# KiCad board nixie_clock_cpu.kicad_pcb
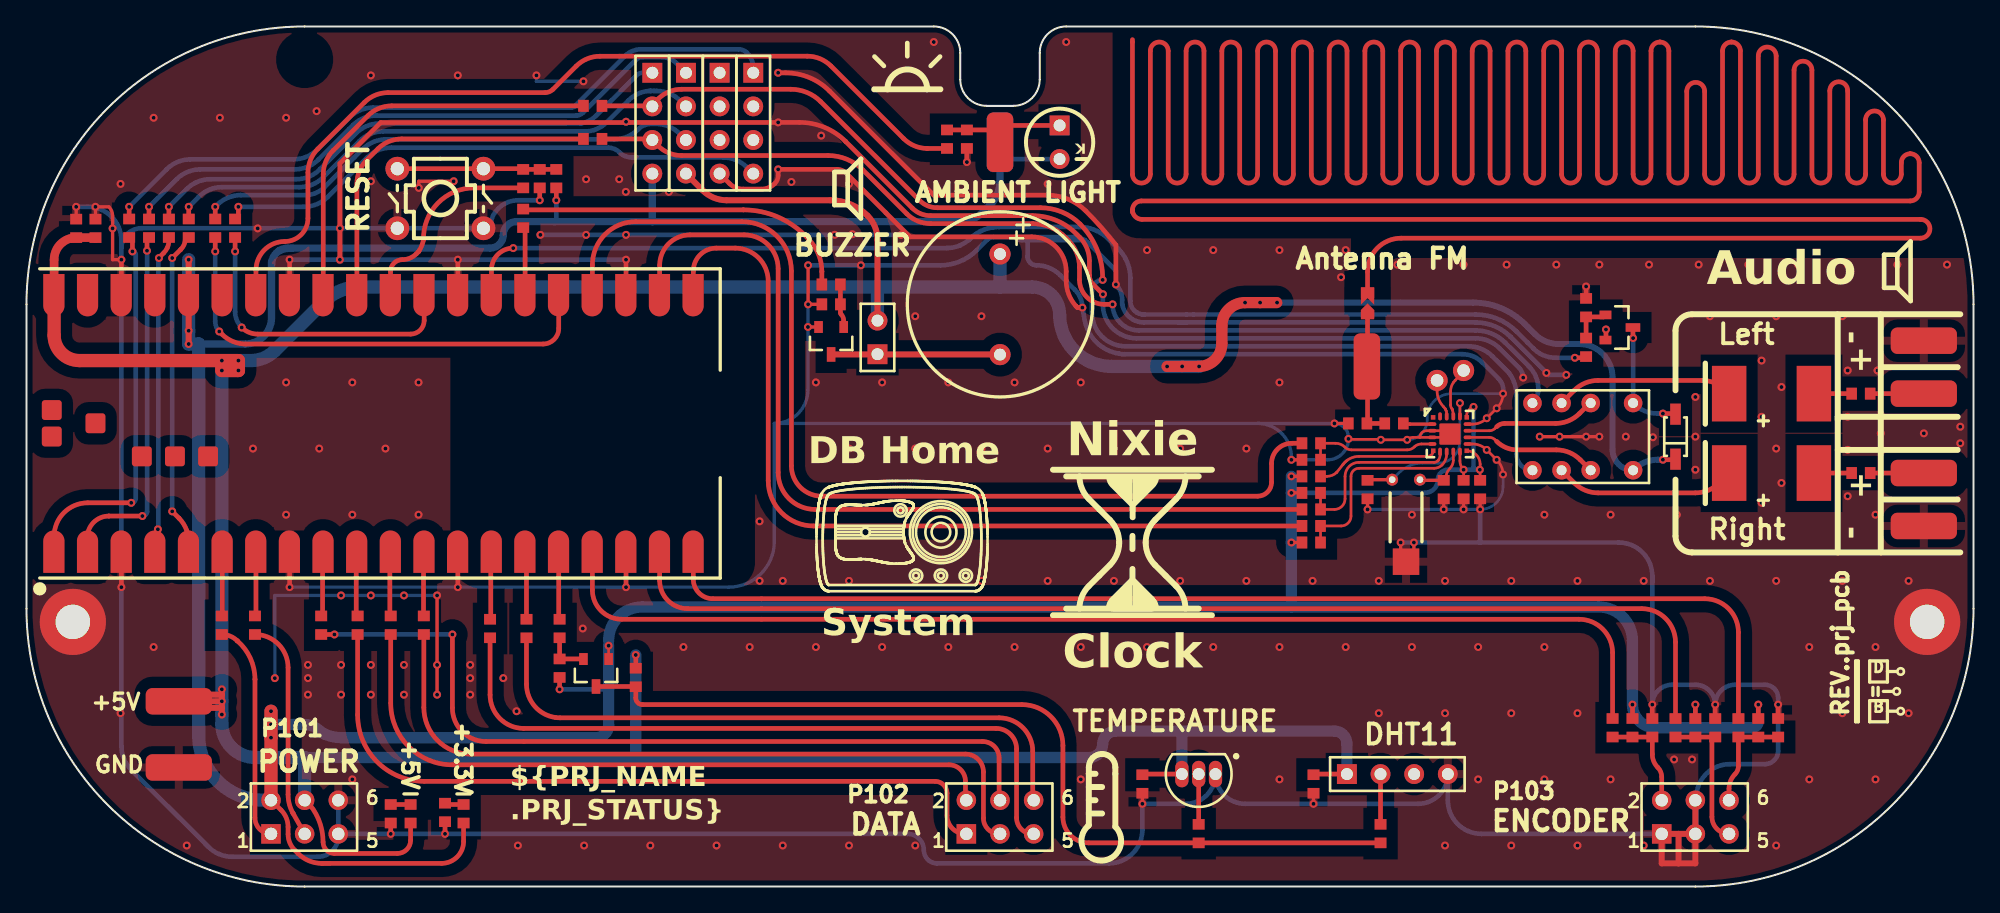
[diagram p0: board, top side]
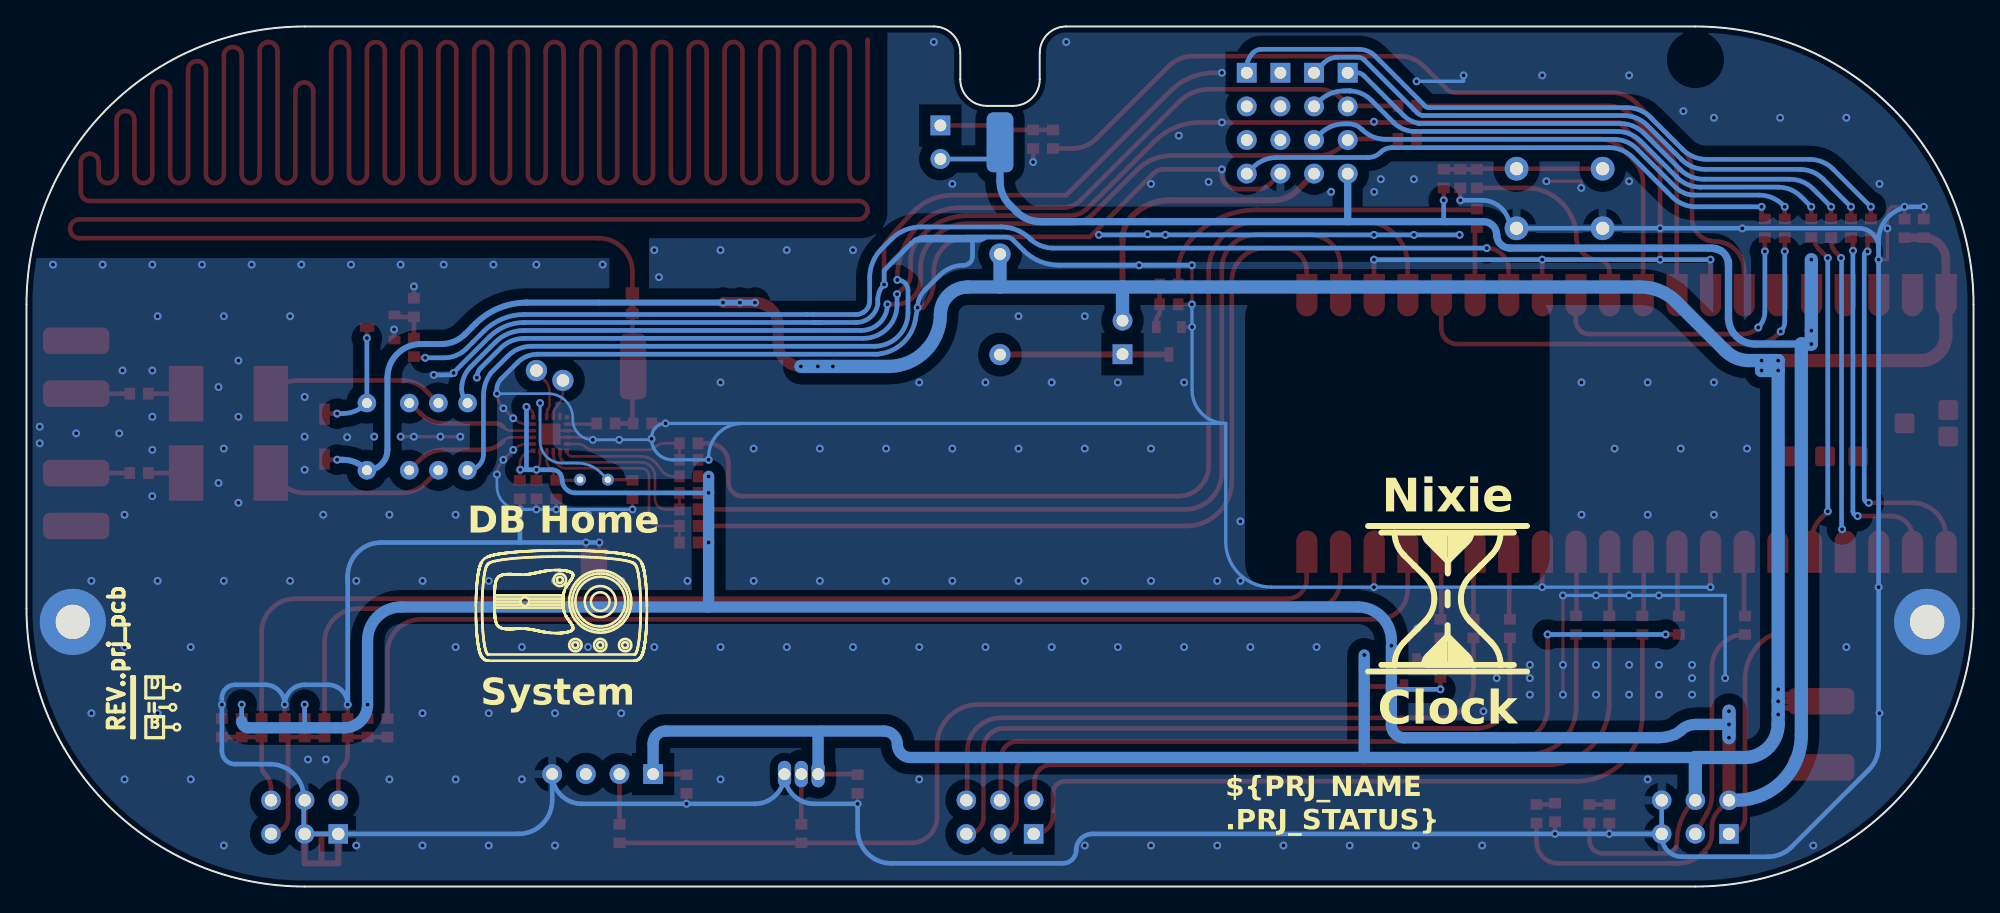
[diagram p1: board, bottom side, seen from below]

Outline 147 x 65 mm; copper layers: Top Layer, Bottom Layer. Coordinates in mm from the lower left corner of the outline.
Outline path: 0,44 0,21 ; 0,44 arc(6.15,58.85) 21,65 ; 0,44 arc(6.15,58.85) 21,65 ; 0,44 0,21 ; 0,21 arc(6.15,6.15) 21,0 ; 0,21 arc(6.15,6.15) 21,0 ; 21,65 68.5,65 ; 21,65 68.5,65 ; 68.5,65 arc(69.91,64.41) 70.5,63 ; 68.5,65 arc(69.91,64.41) 70.5,63 ; 21,0 126,0 ; 21,0 126,0 ; 126,0 arc(140.85,6.15) 147,21 ; 126,0 arc(140.85,6.15) 147,21 ; 70.5,63 70.5,61 ; 70.5,63 70.5,61 ; 70.5,61 arc(71.09,59.59) 72.5,59 ; 70.5,61 arc(71.09,59.59) 72.5,59 ; 72.5,59 74.5,59 ; 72.5,59 74.5,59 ; 74.5,59 arc(75.91,59.59) 76.5,61 ; 74.5,59 arc(75.91,59.59) 76.5,61 ; 76.5,63 arc(77.09,64.41) 78.5,65 ; 76.5,63 arc(77.09,64.41) 78.5,65 ; 76.5,63 76.5,61 ; 76.5,63 76.5,61 ; 78.5,65 126,65 ; 78.5,65 126,65 ; 126,65 arc(140.85,58.85) 147,44 ; 126,65 arc(140.85,58.85) 147,44 ; 147,44 147,21 ; 147,44 147,21

## Placement (name value [footprint] x y rotation side)
BUZ1  BUZZER  [buzzer_14mm_thd]  73.5 44 270 top
C100  10uF  [0603_[1608]]  3.75 49.74 90 top
C101  100nF  [0603_[1608]]  5.21 49.74 90 top
C102  100nF  [0603_[1608]]  109.75 30 90 top
C103  22nF  [0603_[1608]]  108.5 30 90 top
C104  1nF  [0603_[1608]]  103.25 35 180 top
C105  100nF  [0603_[1608]]  122.75 12 270 top
C106  100nF  [0603_[1608]]  132.25 12 270 top
C107  100nF  [0603_[1608]]  127.5 12 270 top
C108  47uF  [[7343]_CAP_TAN_1P_2N]  131.75 37.25 0 top
C109  47uF  [[7343]_CAP_TAN_1P_2N]  131.75 31.25 0 top
C110  22pF  [0603_[1608]]  107 30 90 top
C111  22pF  [0603_[1608]]  101.25 30 90 top
C112  100nF  [0603_[1608]]  84.25 7.75 270 top
C113  100nF  [0603_[1608]]  97.17 7.75 270 top
C114  100nF  [0603_[1608]]  38.75 53.5 90 top
D100  AMBIENT LIGHT  [R5_LED_THD_A2-K1]  78 56.25 270 top
D101  1N4448W  [SOD-123_K1-A2]  124.5 34 270 top
D102  +5V  [0603_[1608]_K1-A2_LED]  29 5.5 90 top
D103  +3.3V  [0603_[1608]_K1-A2_LED]  33 5.5 90 top
J100  Antenna FM  [SMD_PIN_2x5MM]  101.2 39.31 180 top
J101  -  [SMD_PIN_2x5MM]  143.25 41.25 270 top
J102  +  [SMD_PIN_2x5MM]  143.25 37.25 270 top
J103  +  [SMD_PIN_2x5MM]  143.25 31.25 270 top
J104  -  [SMD_PIN_2x5MM]  143.25 27.25 270 top
J105  +5V  [SMD_PIN_2x5MM]  11.5 14 90 top
J106  GND  [SMD_PIN_2x5MM]  11.5 9 90 top
JP100  PCB FM Antenna  [0603_[1608]_JUMPER]  101.25 44.07 90 top
L100  270nH  [0603_[1608]]  100.5 35 180 top
L101  Ferrite 2,5kohm  [0603_[1608]]  138.5 37.25 0 top
L102  Ferrite 2,5kohm  [0603_[1608]]  138.5 31.25 0 top
NOREF  -  [unnamed]  126 62.5 0 top
NOREF#2  -  [unnamed#2]  73.5 56.23 0 top
NOREF#3  -  [unnamed]  21 62.5 0 top
NOREF#4  -  [unnamed#3]  3.5 20 0 top
NOREF#5  -  [unnamed#2]  73.5 56.25 0 top
NOREF#6  -  [unnamed#3]  143.5 20 0 top
NOREF#7  -  [unnamed#2]  73.5 56.25 0 top
P2  BUZZER  [HEADER_1X2_2.54MM_THD]  64.25 41.5 90 top
P100  SENSOR  [HEADER_1X4_2.54MM_THD]  103.5 8.5 0 top
P101  POWER  [SOCKET_2x3_2.54mm_THD]  21 5.25 0 top
P102  DATA  [SOCKET_2x3_2.54mm_THD]  73.5 5.25 0 top
P103  ENCODER  [SOCKET_2x3_2.54mm_THD]  126 5.25 0 top
P105  Audio  [HEADER_1X4_2.54MM_THD]  52.33 57.69 270 top
P106  Audio  [HEADER_1X4_2.54MM_THD]  47.25 57.69 270 top
P107  Audio  [HEADER_1X4_2.54MM_THD]  49.79 57.69 270 top
P108  Audio  [HEADER_1X4_2.54MM_THD]  54.87 57.69 270 top
Q1  BSS138  [SOT-23]  43 16.15 270 top
Q100  BC817  [SOT-23#2]  60.75 41.25 270 top
Q101  BC817  [SOT-23]  120.25 42.25 0 top
R100  33R  [0603_[1608]]  14.75 19.75 270 top
R101  33R  [0603_[1608]]  17.25 19.75 270 top
R102  33R  [0603_[1608]]  37.5 50.5 270 top
R103  33R  [0603_[1608]]  37.5 53.5 270 top
R104  33R  [0603_[1608]]  25 19.75 270 top
R105  33R  [0603_[1608]]  40.25 19.5 270 top
R106  33R  [0603_[1608]]  27.5 19.75 270 top
R107  1k  [0603_[1608]]  69.5 56.48 270 top
R108  33R  [0603_[1608]]  30 19.75 270 top
R109  33R  [0603_[1608]]  124.5 12 270 top
R110  33R  [0603_[1608]]  129.25 12 270 top
R111  33R  [0603_[1608]]  35 19.5 270 top
R112  33R  [0603_[1608]]  119.75 12 270 top
R113  33R  [0603_[1608]]  37.75 19.5 270 top
R114  33R  [0603_[1608]]  22.25 19.75 270 top
R115  10k  [0603_[1608]]  121.25 12 270 top
R116  10k  [0603_[1608]]  130.75 12 270 top
R117  10k  [0603_[1608]]  126 12 270 top
R118  4k7  [0603_[1608]]  97 26 0 top
R119  4k7  [0603_[1608]]  97 29.75 0 top
R120  10k  [0603_[1608]]  97 31 0 top
R121  10k  [0603_[1608]]  97 32.25 0 top
R122  330R  [0603_[1608]]  97 33.5 180 top
R123  330R  [0603_[1608]]  97 28.5 180 top
R124  330R  [0603_[1608]]  97 27.25 180 top
R125  33R  [0603_[1608]]  88.5 4 270 top
R126  33R  [0603_[1608]]  102.23 4 270 top
R127  10k  [0603_[1608]]  40 53.5 90 top
R128  10k  [0603_[1608]]  40.25 16.5 90 top
R129  4k7  [0603_[1608]]  46 15.8 270 top
R130  1k  [0603_[1608]]  60.75 45.5 0 top
R131  47k  [0603_[1608]]  60.75 44 0 top
R132  33R  [0603_[1608]]  42.75 59 180 top
R133  33R  [0603_[1608]]  42.75 56.5 180 top
R134  10k  [0603_[1608]]  71 56.48 270 top
R135  1k  [0603_[1608]]  117.75 40.75 90 top
R136  47k  [0603_[1608]]  117.75 43.75 270 top
R137  1k  [0603_[1608]]  27.5 5.5 90 top
R138  1k  [0603_[1608]]  31.6 5.6 90 top
R139  33R  [0603_[1608]]  7.75 49.75 90 top
R140  33R  [0603_[1608]]  9.25 49.75 90 top
R141  33R  [0603_[1608]]  10.75 49.75 90 top
R142  33R  [0603_[1608]]  12.25 49.75 90 top
R143  33R  [0603_[1608]]  15.75 49.75 270 top
R144  33R  [0603_[1608]]  14.25 49.75 270 top
S3  RESET  [TACTILE_SWITCH_6x6MM_THD]  31.25 52 270 top
TP100  GPIO2  [TEST_POINT_THD_D1.6MM]  108.5 39 90 top
TP101  GPIO1  [TEST_POINT_THD_D1.6MM]  106.5 38.25 90 top
U100  Raspberry Pico Wifi  [RasberryPicoMod]  26.5 35 90 top
U101  Si470x  [QFN-50P-20_PAD]  107.48 34.2 0 top
U102  DS18B20  [TO-92]  88.5 8.5 90 top
U103  Relay DPDT  [RELAYS_DPST_THD_6x10_5.08mm]  117.5 34 180 top
Y100  32.768kHz  [CRISTAL_R26_PAD]  104.16 30.75 270 top

## Footprints (pads in the part's own frame, mm; a bottom-side part is the same pattern mirrored in y, then rotated)
0603_[1608]
  rect 0.8x0.9 smd: 1(-0.7,0) 2(0.7,0)
0603_[1608]_JUMPER
  custom 1.2x1 smd: (-1.2,0.5)
  custom 1.3x1 smd: (1.2,-0.5)
  rect 0.6x1 smd: 1(-0.8,0)
  rect 0.8x1 smd: 2(0.8,0)
0603_[1608]_K1-A2_LED
  rect 0.8x0.9 smd: 1(0.7,0) 2(-0.7,0)
[7343]_CAP_TAN_1P_2N
  rect 2.6x4.2 smd: 1(-3.2,0) 2(3.2,0)
buzzer_14mm_thd
  round 1.6 hole 0.9: 1(-3.8,0) 2(3.8,0)
CRISTAL_R26_PAD
  round 0.9 hole 0.5: 1(0,1.05) 2(0,-1.05)
  rect 2x2 smd: 3(6.2,0)
HEADER_1X2_2.54MM_THD
  rect 1.5x1.5 hole 0.9: 1(-1.27,0)
  round 1.5 hole 0.9: 2(1.27,0)
HEADER_1X4_2.54MM_THD
  rect 1.5x1.5 hole 0.9: 1(-3.81,0)
  round 1.5 hole 0.9: 2(-1.27,0) 3(1.27,0) 4(3.81,0)
QFN-50P-20_PAD
  rect 0.34x0.34 smd: 1(-1.275,1.265) 6(-1.265,-1.265) 11(1.265,-1.265) 16(1.265,1.265)
  rrect 0.61x0.28 smd: 2(-1.335,0.75) 3(-1.335,0.25) 4(-1.335,-0.25) 5(-1.335,-0.75) 12(1.335,-0.75) 13(1.335,-0.25) 14(1.335,0.25) 15(1.335,0.75)
  rrect 0.28x0.61 smd: 7(-0.75,-1.335) 8(-0.25,-1.335) 9(0.25,-1.335) 10(0.75,-1.335) 17(0.75,1.335) 18(0.25,1.335) 19(-0.25,1.335) 20(-0.75,1.335)
  rrect 1.6x1.6 smd: 21(0,0)
R5_LED_THD_A2-K1
  round 1.5 hole 0.9: 1(1.27,0)
  rect 1.5x1.5 hole 0.9: 2(-1.27,0)
RasberryPicoMod
  custom 3.2x1.6 smd: (-11.292,23.631) (-11.292,21.091) (-11.292,18.551) (-11.292,16.011) (-11.292,13.471) (-11.292,10.931) (-11.292,8.391) (-11.292,5.851) (-11.292,3.311) (-11.292,0.771) (-11.292,-1.769) (-11.292,-4.309) (-11.292,-6.849) (-11.292,-9.389) (-11.292,-11.929) (-11.292,-14.469) (-11.292,-17.009) (-11.292,-19.549) (-11.292,-22.089) (-11.292,-24.629) (11.292,23.631) (11.292,21.091) (11.292,18.551) (11.292,16.011) (11.292,13.471) (11.292,10.931) (11.292,8.391) (11.292,5.851) (11.292,3.311) (11.292,0.771) (11.292,-1.769) (11.292,-4.309) (11.292,-6.849) (11.292,-9.389) (11.292,-11.929) (11.292,-14.469) (11.292,-17.009) (11.292,-19.549) (11.292,-22.089) (11.292,-24.629)
  rect 2.5x1 smd: 1(-9.69,24.415) 2(-9.69,21.875) 4(-9.69,16.795) 5(-9.69,14.255) 6(-9.69,11.715) 7(-9.69,9.175) 8(-9.69,6.635) 9(-9.69,4.095) 10(-9.69,1.555) 11(-9.69,-0.985) 12(-9.69,-3.525) 13(-9.69,-6.065) 14(-9.69,-8.605) 15(-9.69,-11.145) 16(-9.69,-13.685) 17(-9.69,-16.225) 18(-9.69,-18.765) 19(-9.69,-21.305) 20(-9.69,-23.845) 21(9.69,-23.845) 22(9.69,-21.305) 23(9.69,-18.765) 24(9.69,-16.225) 25(9.69,-13.685) 26(9.69,-11.145) 27(9.69,-8.605) 28(9.69,-6.065) 29(9.69,-3.525) 30(9.69,-0.985) 31(9.69,1.555) 32(9.69,4.095) 33(9.69,6.635) 34(9.69,9.175) 35(9.69,11.715) 36(9.69,14.255) 37(9.69,16.795) 38(9.69,19.335) 39(9.69,21.875) 40(9.69,24.415)
  rrect 2.5x1 smd: 3(-9.69,19.335)
  rrect 1.5x1.5 smd: 44(0.01,21.292) 45(1.01,24.592) 46(-0.99,24.592) 47(-2.49,17.792) 48(-2.49,15.292) 49(-2.49,12.792)
RELAYS_DPST_THD_6x10_5.08mm
  round 1.4 hole 0.75: 1(-3.8,-2.54) 2(-0.6,-2.54) 3(1.6,-2.54) 4(3.8,-2.54) 5(3.8,2.54) 6(1.6,2.54) 7(-0.6,2.54) 8(-3.8,2.54)
SMD_PIN_2x5MM
  rrect 2x5 smd: 1(0,0)
SOCKET_2x3_2.54mm_THD
  rect 1.473x1.473 hole 0.94: 1(-2.54,-1.27)
  round 1.473 hole 0.94: 2(-2.54,1.27) 3(0,-1.27) 4(0,1.27) 5(2.54,-1.27) 6(2.54,1.27)
SOD-123_K1-A2
  rect 1.6x0.8 smd: 1(1.7,0) 2(-1.7,0)
SOT-23
  rect 0.9x0.65 smd: 1(-1.038,0.95) 2(-1.038,-0.95)
  rect 1.1x0.65 smd: 3(1.038,0)
SOT-23#2
  rect 0.9x0.65 smd: 1(-1.038,0.95) 2(-1.038,-0.95)
  rect 1.1x0.65 smd: 3(1.038,0)
TACTILE_SWITCH_6x6MM_THD
  round 1.8 hole 1: 1(2.25,3.25) 2(2.25,-3.25) 3(-2.25,3.25) 4(-2.25,-3.25)
TEST_POINT_THD_D1.6MM
  round 1.6 hole 0.95: 1(0,0)
TO-92
  oval 2x1 hole 0.9: 1(0,-1.27) 2(0,0) 3(0,1.27)
unnamed
  round 0.001 hole 2.6: hole(0,0)
unnamed#3
  round 5 hole 2.6: hole(0,0)
unnamed#2
  rrect 2x4.5 smd far side: amb(0,0)

## Nets
+3.3V: C102.2 C103.2 D100.1 D103.2 NOREF#2.amb NOREF#5.amb P101.2 P106.4 Q1.1 R115.1 R116.1 R117.1 R118.1 R119.1 R120.1 R127.1 R128.1 U100.36 U101.10 U101.11 U101.16
+5V: BUZ1.1 C100.1 C101.1 C112.1 C113.1 D101.1 D102.2 J105.1 P2.2 P100.1 P101.4 P107.4 R129.1 U100.40 U102.3 U103.8
GND: C100.2 C101.2 C102.1 C103.1 C105.1 C106.1 C107.1 C110.1 C111.1 C112.2 C113.2 C114.1 J101.1 J104.1 J106.1 L100.2 NOREF#4.hole NOREF#6.hole P100.4 P101.5 P101.6 P103.1 P103.3 P103.4 P105.4 Q100.2 Q101.2 R121.1 R131.1 R134.2 R136.1 R137.1 R138.1 S3.1 S3.2 U100.3 U100.8 U100.13 U100.18 U100.23 U100.28 U100.33 U100.38 U101.3 U101.4 U101.12 U101.15 U101.21 U102.1 Y100.3
1WIRE_SENSOR: Q1.2 R105.2 R128.2
A: C106.2 P103.6 R110.2 R116.2
AMB_LIGHT: D100.2 NOREF#7.amb R107.1 R134.1
B: C105.2 P103.2 R112.2 R115.2
BACK_LIGHT_DATA: P101.1 R100.2
BUZZER: R102.1 R130.1
FM_ANTENNA: JP100.2
FRONT_LIGHT_DATA: P101.3 R101.2
GP0: P108.1 R139.2
GP1: P107.1 R140.2
GP2: P106.1 R141.2
GP3: P107.2 R142.2
GP19: P107.3 R144.1
GP22: P108.4 R143.1
HV_ENABLE: P102.4 R114.2
LA: J102.1 L101.2
LOUT: U101.14 U103.2
NetBUZ1_2: BUZ1.2 P2.1 Q100.3
NetC104_1: C104.1 U101.2
NetC104_2: C104.2 J100.1 JP100.1 L100.1
NetC108_1: C108.1 U103.3
NetC108_2: C108.2 L101.1
NetC109_1: C109.1 U103.6
NetC109_2: C109.2 L102.1
NetC110_2: C110.2 U101.9 Y100.1
NetC111_2: C111.2 U101.17 Y100.2
NetD101_2: D101.2 Q101.3 U103.1
NetD102_1: D102.1 R137.2
NetD103_1: D103.1 R138.2
NetP100_2: P100.2 R126.1
NetQ1_3: Q1.3 R125.2 R126.2 R129.2
NetQ100_1: Q100.1 R130.2 R131.2
NetQ101_1: Q101.1 R135.2 R136.2
NetR100_1: R100.1 U100.6
NetR101_1: R101.1 U100.7
NetR102_2: R102.2 U100.26
NetR103_2: R103.2 U100.30
NetR104_1: R104.1 U100.10
NetR105_1: R105.1 U100.16
NetR106_1: R106.1 U100.11
NetR107_2: R107.2 U100.34
NetR108_1: R108.1 U100.12
NetR109_1: R109.1 U100.19
NetR110_1: R110.1 U100.20
NetR111_1: R111.1 U100.14
NetR112_1: R112.1 U100.17
NetR113_1: R113.1 U100.15
NetR114_1: R114.1 U100.9
NetR118_2: R118.2 R124.1 U101.8
NetR119_2: R119.2 R123.1 U101.7
NetR120_2: R120.2 U101.6
NetR121_2: R121.2 R122.1 U101.5
NetR125_1: R125.1 U102.2
NetR132_2: R132.2 U100.32
NetR133_2: R133.2 U100.31
NetR139_1: R139.1 U100.1
NetR140_1: R140.1 U100.2
NetR141_1: R141.1 U100.4
NetR142_1: R142.1 U100.5
NetR143_2: R143.2 U100.29
NetR144_2: R144.2 U100.25
NetTP100_1: TP100.1 U101.18
NetTP101_1: TP101.1 U101.19
nRESET: C114.2 R103.1 R127.2 S3.3 S3.4
RA: J103.1 L102.2
RADIO_SW: R135.1 U100.27
Raw_LOUT: P106.3 R133.1 U103.4
Raw_ROUT: P106.2 R132.1 U103.5
ROUT: U101.13 U103.7
SCLK: R123.2 U100.22
SDIO: R124.2 U100.21
SIPO_CLK: P102.6 R113.2
SIPO_CLR: P102.2 R106.2
SIPO_DATA: P102.5 R111.2
SIPO_OE: P102.3 R108.2
SIPO_RCLK: P102.1 R104.2
SWITCH0: C107.2 P103.5 R109.2 R117.2
~{RST}: R122.2 U100.24

Pads without a net: NOREF hole; NOREF#3 hole; P100 3; P105 1 2 3; P108 2 3; U100 35 37 39 44 45 46 47 48 49; U101 1 20

## Via types
v1: diameter 0.6, hole 0.3, Top Layer to Bottom Layer, 306 vias

## Routing (per net, layer and track width the routed paths; a pad name or vN(x,y) marks a point on that pad's centre or on a via; arc(x,y) is an arc through that point)
+3.3V: length 344.3
  Top Layer w0.2: Q1.1 v1(43.95,18.2) ; 108.23,30.73 108.5,31 v1(108.5,31.5) arc(108.45,31.55) 108.41,31.61 arc(108.27,31.87) 108.23,32.16 U101.10 ; U101.16 108.73,35.55 108.73,35.57 arc(108.88,35.99) 109.25,36.25 v1(109.25,36.25) ; C102.2 109.75,31.92 arc(109.45,32.64) U101.11
  Top Layer w0.25: v1(95.5,31) 96.21,31 ; v1(95.5,26) 96.21,26 ; v1(95.5,29.75) 96.21,29.75
  Top Layer w0.35: v1(40.25,14.9) R128.1 ; 22.3,1.75 22.9,1.75 ; 22.3,1.75 31.34,1.75 arc(32.51,2.24) 33,3.41 D103.2 ; 22.3,1.75 arc(21.33,1.94) 20.51,2.49 20.25,2.75 arc(19.88,3.3) 19.75,3.96 19.75,4.5 arc(19.61,5.19) 19.22,5.78 18.5,6.5 ; v1(40,51.87) R127.1 ; R116.1 v1(130.75,13.75) ; R115.1 v1(121.25,13.75) ; R117.1 v1(126,13.75)
  Top Layer w0.45: v1(12.25,47.38) U100.36 v1(12.25,42) v1(12.25,41)
  Top Layer w1: v1(18.46,13.25) v1(18.46,12.25) v1(18.46,11.25) 18.46,6.72 arc(18.48,6.61) 18.54,6.52
  Bottom Layer w0.2: 43.95,14.95 arc(43.94,14.92) 43.91,14.9
  Bottom Layer w0.35: v1(40,51.87) 40,50.41 arc(39.95,50.3) 39.84,50.25 ; 130.75,12.5 v1(130.75,13.75) ; 109.11,31.5 v1(108.5,31.5) 107.31,31.5 arc(106.78,31.28) 106.56,30.75 arc(106.27,30.04) 105.56,29.75 v1(95.5,29.75) ; 109.11,31.5 v1(109.73,31.5) ; 109.11,31.5 arc(109.21,31.54) 109.25,31.64 v1(109.25,36.25) ; 73.5,55.78 74.3,54.98 D100.1 ; 126,12 v1(126,13.75) ; v1(40.25,14.9) 43.91,14.9 ; NOREF#2.amb NOREF#5.amb
  Bottom Layer w0.55: 47.25,50.25 P106.4 ; 47.25,50.25 70.45,50.25 arc(71.42,50.44) 72.24,50.99 72.76,51.51 arc(73.31,52.33) 73.5,53.3 NOREF#2.amb ; 47.25,50.25 37,50.25 arc(36.29,49.96) 36,49.25 arc(35.71,48.54) 35,48.25 20.05,48.25 arc(19.56,48.2) 19.09,48.06 ; 18.5,47 18.5,47.25 ; 18.5,47 18.5,43 arc(17.91,41.59) 16.5,41 13,41 ; 18.5,47 arc(18.66,47.61) 19.09,48.06 ; 73.25,55.78 73.25,56 arc(73.32,56.18) NOREF#5.amb ; v1(43.95,18.2) 43.95,18.59 ; 73.21,56.18 73,55.95 72.91,55.95 arc(72.85,55.83) 72.82,55.69 ; 19.09,48.06 arc(19.4,48.2) 19.75,48.25
  Bottom Layer w0.85: v1(43.95,18.2) 43.95,12.2 arc(43.67,11.53) 43,11.25 23.8,11.25 arc(23.17,11.31) 22.56,11.5 arc(22.33,11.62) 22.12,11.77 arc(21.6,12.13) 20.98,12.25 v1(18.46,12.25) ; 95.5,21.13 46.49,21.13 arc(44.69,20.39) 43.95,18.59 ; 95.5,21.13 118.71,21.13 arc(120.51,20.39) 121.25,18.59 v1(121.25,13.75) arc(121.76,12.51) 123,12 130.25,12 arc(130.6,12.15) 130.75,12.5 ; 95.5,21.13 v1(95.5,26) v1(95.5,29.75) v1(95.5,31)
  Bottom Layer w1: v1(12.25,47.38) v1(12.25,42) v1(12.25,41) 13,41 13,11.43 arc(14.64,7.77) 18.46,6.55 ; v1(18.46,11.25) v1(18.46,12.25) v1(18.46,13.25)
+5V: length 349.1
  Top Layer w0.35: D102.2 29,3.5 arc(28.71,2.79) 28,2.5 23.25,2.5 arc(22.64,2.75) 22.39,3.36 arc(22.05,5.07) 21.08,6.52 ; R129.1 v1(46,17.5) ; P100.1 97.22,8.5 arc(97.18,8.49) C113.1 ; U102.3 84.3,8.5 arc(84.26,8.49) C112.1 ; v1(123.55,32.26) 124.39,32.26 arc(124.45,32.27) D101.1
  Top Layer w0.45: 14.75,14.5 v1(14.75,14.9) ; 14.75,14.5 14.75,13.5 ; 14.75,14.5 13.25,14.5 ; P2.2 64.25,48.89 64.25,48.89 arc(64.06,49.87) 63.5,50.7 arc(62.21,51.56) 60.68,51.87 52.86,51.87 arc(51.88,52.06) 51.06,52.61 P107.4 ; 14.75,13.5 13.25,13.5 ; 14.75,13.5 v1(14.75,13) ; J105.1 v1(14.75,14)
  Top Layer w0.65: C101.1 C100.1 arc(2.57,48.55) 2.08,47.38 U100.40 ; 5.23,48.98 5.25,49
  Top Layer w0.85: v1(86.12,39.31) v1(87.25,39.31) 88.51,39.31 arc(89.74,39.82) 90.25,41.05 90.25,42.38 arc(90.76,43.62) v1(92,44.13) v1(93.14,44.13) 94.39,44.13
  Top Layer w1: U100.40 2.09,41.67 arc(2.65,40.31) 4,39.75 v1(14.75,39.75) ; v1(14.75,39.75) v1(14.75,39) v1(16,39) v1(16,39.75) v1(14.75,39.75)
  Bottom Layer w0.45: v1(92,44.13) v1(94.42,44.13) 103.75,44.13 109.23,44.13 arc(111.33,43.72) 113.1,42.53 113.89,41.74 arc(114.71,41.19) 115.68,41 117.21,41 arc(119.01,40.26) 119.75,38.46 119.75,33.01 arc(120.2,31.91) U103.8 121.35,31.51 arc(122.18,32.06) 123.15,32.26 v1(123.55,32.26)
  Bottom Layer w0.55: 87,11.75 arc(87.16,11.68) 87.23,11.52
  Bottom Layer w0.85: 21,9.75 46,9.75 ; 46,9.75 v1(46,17.5) ; 46,9.75 80.25,9.75 arc(80.96,10.04) 81.25,10.75 arc(81.54,11.46) 82.25,11.75 98.75,11.75 arc(99.41,11.47) 99.69,10.81 P100.1 ; U102.3 87.23,11.52
  Bottom Layer w1: 64.25,45.31 73.5,45.31 ; 64.25,45.31 25.24,45.31 ; 64.25,45.31 P2.2 ; 73.5,45.31 75.92,45.31 arc(77.39,44.7) 78,43.23 arc(79.15,40.46) 81.92,39.31 v1(86.12,39.31) v1(87.25,39.31) v1(88.53,39.31) ; 73.5,45.31 BUZ1.1 ; v1(14.75,39) v1(14.75,39.75) v1(16,39.75) ; v1(14.75,39) v1(14.75,14) v1(14.75,13) 14.75,12.29 arc(15.49,10.49) 17.29,9.75 21,9.75 P101.4 ; v1(14.75,39) v1(16,39) v1(16,39.75) ; v1(16,39.75) 16.95,39.75 arc(17.92,39.94) 18.74,40.49 22.44,44.19 arc(23.29,44.83) 24.29,45.21 arc(24.71,45.29) 25.14,45.31
GND: length 873.7
  Top Layer w0.2: 105.2,33.95 U101.4 107.23,33.95 arc(107.4,34.02) U101.21 arc(107.4,34.37) 107.23,34.45 U101.3 105.7,34.45 arc(105.35,34.3) 105.2,33.95 ; 105.2,33.95 104.68,33.95 arc(104.44,33.9) v1(104.24,33.76) v1(102.25,33.76) 102.21,33.8 99.85,33.8 v1(99.81,33.83) ; U101.15 109.17,34.95 arc(109.76,35.06) v1(110.25,35.39) v1(111,36.14) 111.03,36.18 arc(111.36,36.67) v1(111.48,37.25) ; U101.12 109.17,33.45 arc(109.76,33.33) v1(110.25,33) v1(111,32.25) 111.03,32.22 arc(111.36,31.72) v1(111.48,31.14)
  Top Layer w0.25: 103.75,25.29 v1(103.75,26) ; v1(84.25,6.25) C112.2 ; C101.2 v1(5.21,51.37) 6.22,51.37 arc(6.43,51.06) 6.5,50.69 v1(6.5,49.74) 6.5,47.38 v1(7.17,47.38) ; v1(101.25,28.5) 101.25,29.21 ; v1(95.5,32.25) 96.21,32.25 ; C110.1 107.09,29.21 ; R131.1 v1(59.01,44) v1(59.01,46.95) ; v1(107,28.5) 107,29.21 ; v1(29.62,52.8) 29.62,53.3 v1(32.25,53.3) ; v1(109.75,28.5) 109.75,29.21 ; v1(97.17,6.25) C113.2 ; v1(108.5,28.5) 108.5,29.21 ; v1(118.75,34) v1(117.75,34) v1(115.75,34) v1(114.25,34) ; v1(98.75,35) L100.2 ; C100.2 v1(3.75,51.37) ; v1(31,14.5) v1(31,16.75) v1(31,22) ; v1(59,42.29) Q100.2 ; 104.75,25.29 v1(104.75,26)
  Top Layer w0.35: 117.75,44.55 v1(117.75,45.35) ; v1(45.27,22.62) U100.18 ; U100.28 v1(32.57,47.38) ; 45.27,57.74 26.75,57.74 23.66,54.65 v1(23.66,49.75) v1(23.66,47.38) ; v1(19.87,22.62) U100.8 ; U100.33 v1(19.87,47.38) ; 119.25,41.3 v1(119.25,42.1) ; U100.23 v1(45.27,47.38) ; C105.1 v1(122.75,13.75) ; v1(81.27,44.76) 80.54,45.5 arc(80.32,45.82) 80.25,46.19 80.25,47.28 arc(80.06,48.25) 79.51,49.08 79.33,49.26 arc(77.79,50.32) 75.96,50.7 68.25,50.7 arc(67.51,50.85) 66.88,51.27 61.84,56.31 arc(60.24,57.38) 58.36,57.75 v1(56.75,57.75) 56.74,57.74 45.5,57.74 45.49,57.75 45.31,57.75 v1(45.27,57.8) ; v1(82.25,45.5) 82.25,48.49 arc(81.15,49.81) 79.97,51.06 arc(78.65,51.94) 77.1,52.25 68.5,52.25 60.63,60.12 arc(59.1,61.14) 57.3,61.5 v1(56.75,61.5) ; C107.1 v1(127.5,13.75) ; P105.4 53.08,53.13 arc(53.55,52.82) 54.11,52.71 55.47,52.71 arc(56.03,52.82) 56.5,53.13 arc(56.69,53.41) 56.75,53.74 v1(56.75,54.2) 61.2,54.2 arc(61.57,54.13) 61.88,53.92 64.89,50.91 66.7,49.1 75.9,49.1 arc(77.74,48.34) 78.5,46.5 78.5,45.79 arc(78.69,44.75) 79.24,43.86 79.35,43.75 v1(79.72,43.75) ; C106.1 v1(132.25,13.75) ; v1(38.75,51.87) C114.1 ; v1(32.57,22.62) U100.13 ; v1(71,54.75) R134.2 ; v1(7.17,22.62) U100.3 ; v1(31.6,3.98) R138.1 ; v1(27.5,3.98) R137.1 ; U100.38 v1(7.17,47.38)
  Top Layer w0.45: 124.73,3.98 P103.1 123.46,1.75 124.73,1.75 ; 124.73,3.98 P103.3 ; 124.73,3.98 124.73,1.75 ; P103.3 P103.4 ; P103.3 126,1.75 124.73,1.75
  Bottom Layer w0.2: v1(111.48,31.14) 111.48,30.23 arc(110.97,29.01) v1(109.75,28.5) ; v1(111.48,37.25) 107.61,37.25 arc(106.29,36.71) 105.75,35.39 105.75,35.27 arc(105.31,34.2) v1(104.24,33.76) v1(102.25,33.76) 99.88,33.76 arc(99.83,33.78) v1(99.81,33.83)
  Bottom Layer w0.25: 56.46,35 92.96,35 ; 56.46,35 56.46,26.07 arc(55.45,23.64) 53.01,22.62 v1(45.27,22.62) ; 56.46,35 arc(58.26,35.74) 59,37.54 v1(59,42.29) 59.01,42.29 59.01,43.99 v1(59.01,44) ; 92.96,35 98.75,35 arc(99.5,34.69) 99.81,33.94 v1(99.81,33.83) arc(99.35,32.71) 98.23,32.25 v1(95.5,32.25) 95.5,32.46 arc(94.76,34.26) 92.96,35 ; v1(109.75,28.5) v1(108.5,28.5) v1(107,28.5) v1(101.25,28.5) ; v1(31,22) v1(28.5,22) v1(26,22) v1(23.75,22) 18.75,22 v1(18.75,15.75) ; v1(42.05,60.85) 38.5,60.85 38.5,61.25 ; v1(32.57,22.62) 45.12,22.62 arc(45.21,22.66) 45.25,22.75 ; v1(19.87,22.62) 32.38,22.62 arc(32.46,22.59) 32.5,22.5